# KiCad board PCB.kicad_pcb (continued)
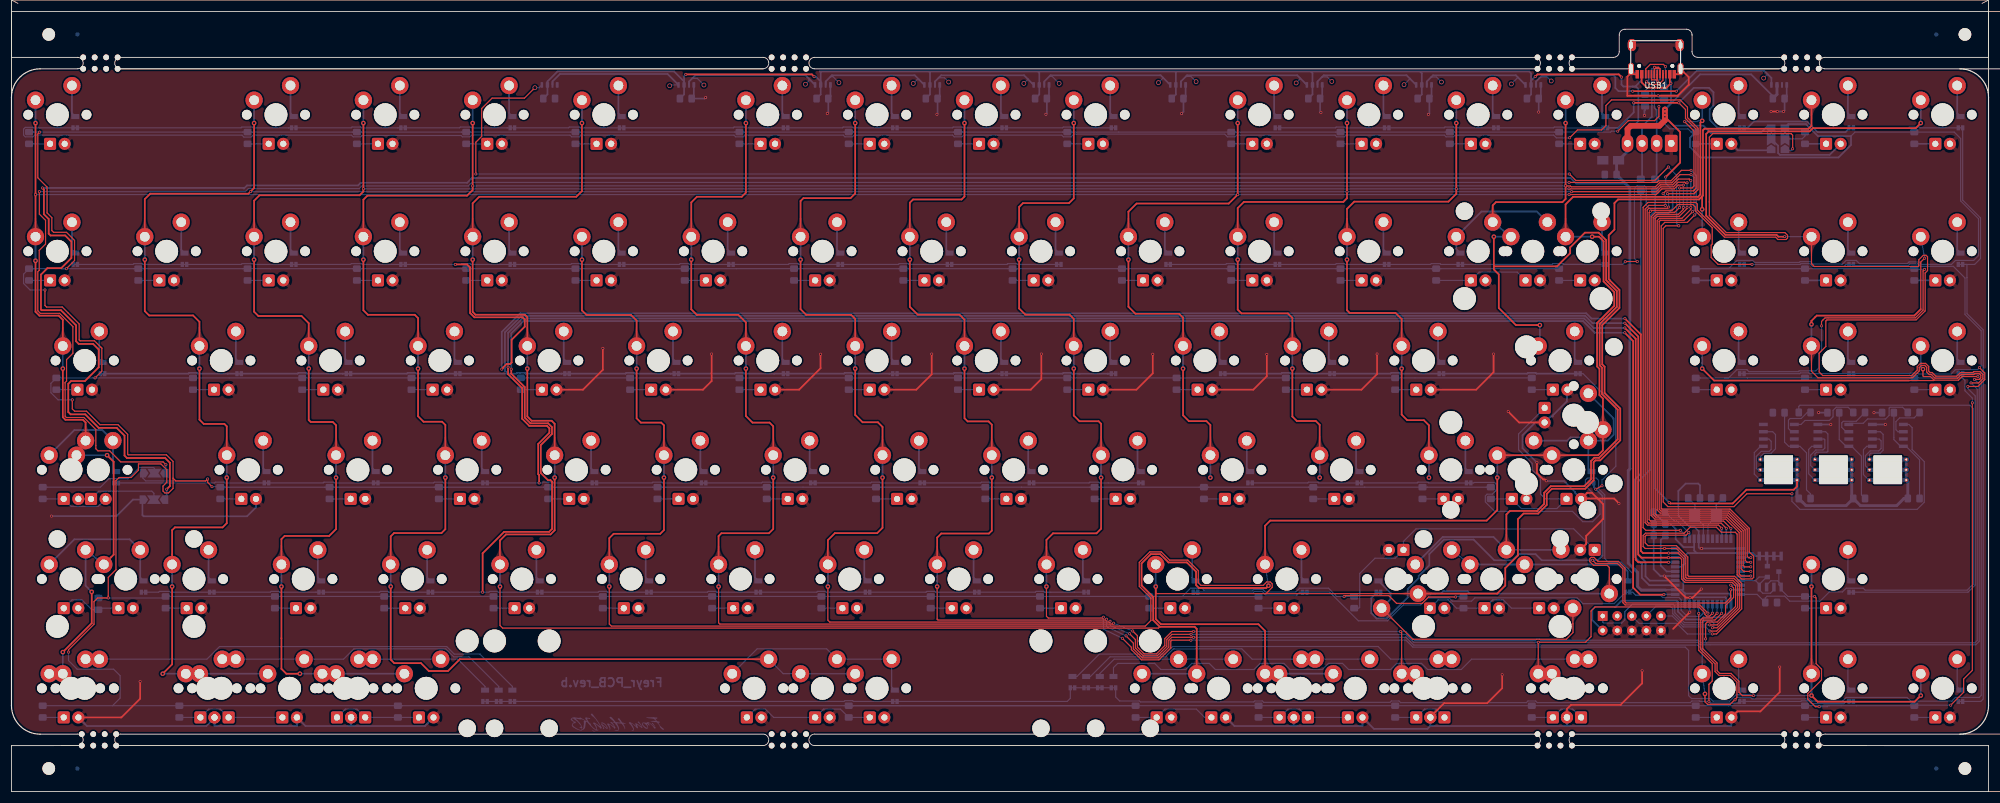
[diagram p0: board, top side]
## Copper pours and planes (outline as drawn; the poured copper is in the pictures) (continued)
Net-(D169-Pad1) on Bottom: 109.21,69.97 109.39,69.96 109.57,69.94 109.74,69.91 109.9,69.87 110.06,69.81 110.21,69.74 110.35,69.66 110.49,69.56 110.63,69.46 110.75,69.33 112.03,70.07 110.75,70.8 110.63,70.68 110.49,70.58 110.35,70.48 110.21,70.4 110.06,70.33 109.9,70.27 109.74,70.23 109.57,70.2 109.39,70.18 109.21,70.17
Net-(D171-Pad1) on Bottom: 104.45,31.87 104.63,31.86 104.8,31.84 104.97,31.81 105.14,31.77 105.29,31.71 105.45,31.64 105.59,31.56 105.73,31.46 105.86,31.36 105.99,31.23 107.27,31.97 105.99,32.7 105.86,32.58 105.73,32.48 105.59,32.38 105.45,32.3 105.29,32.23 105.14,32.17 104.97,32.13 104.8,32.1 104.63,32.08 104.45,32.07
Net-(D172-Pad1) on Bottom: 230.65,12.82 230.84,12.81 231.01,12.79 231.18,12.76 231.34,12.72 231.5,12.66 231.65,12.59 231.8,12.51 231.94,12.41 232.07,12.31 232.2,12.18 233.47,12.92 232.2,13.65 232.07,13.53 231.94,13.43 231.8,13.33 231.65,13.25 231.5,13.18 231.34,13.12 231.18,13.08 231.01,13.05 230.84,13.03 230.65,13.02
Net-(D172-Pad1) on Bottom: 227.94,13.02 227.82,13.03 227.7,13.05 227.58,13.08 227.45,13.12 227.33,13.18 227.21,13.25 227.08,13.33 226.96,13.43 226.84,13.53 226.71,13.65 225.44,12.92 226.71,12.18 226.84,12.31 226.96,12.41 227.08,12.51 227.21,12.59 227.33,12.66 227.45,12.72 227.58,12.76 227.7,12.79 227.82,12.81 227.94,12.82
Net-(D172-Pad1) on Bottom: 224.44,14.3 224.53,14.2 224.61,14.09 224.69,13.97 224.75,13.85 224.8,13.72 224.84,13.58 224.87,13.43 224.9,13.27 224.91,13.1 224.91,12.93 226.33,12.55 225.95,13.97 225.78,13.97 225.61,13.99 225.46,14.01 225.31,14.04 225.17,14.08 225.03,14.13 224.91,14.2 224.79,14.27 224.68,14.35 224.58,14.44
Net-(D172-Pad1) on Bottom: 222,14.02 221.98,14.01 221.94,14 221.89,13.99 221.82,13.98 221.73,13.98 221.63,13.97 221.51,13.97 221.37,13.97 221.22,13.97 221.05,13.97 220.67,12.55 222.09,12.93 222.09,13.1 222.09,13.25 222.09,13.39 222.1,13.51 222.1,13.61 222.11,13.7 222.11,13.77 222.12,13.82 222.13,13.86 222.14,13.88
Net-(D172-Pad1) on Bottom: 218.75,12.82 218.93,12.81 219.1,12.79 219.27,12.76 219.44,12.72 219.59,12.66 219.75,12.59 219.89,12.51 220.03,12.41 220.16,12.31 220.29,12.18 221.57,12.92 220.29,13.65 220.16,13.53 220.03,13.43 219.89,13.33 219.75,13.25 219.59,13.18 219.44,13.12 219.27,13.08 219.1,13.05 218.93,13.03 218.75,13.02
Net-(D176-Pad1) on Bottom: 314.12,112.78 314.29,112.78 314.45,112.76 314.6,112.73 314.75,112.69 314.9,112.64 315.04,112.57 315.17,112.5 315.3,112.41 315.42,112.31 315.54,112.2 316.82,112.93 315.54,113.67 315.42,113.56 315.3,113.46 315.17,113.37 315.04,113.29 314.9,113.23 314.75,113.18 314.6,113.13 314.45,113.11 314.29,113.09 314.12,113.08
Net-(D176-Pad2) on Bottom: 317.89,111.78 317.92,111.8 317.96,111.82 318.02,111.83 318.09,111.85 318.18,111.86 318.28,111.87 318.39,111.88 318.52,111.88 318.66,111.88 318.82,111.88 319.2,113.3 317.78,112.92 317.78,112.77 317.78,112.62 317.78,112.49 317.77,112.38 317.76,112.28 317.75,112.19 317.73,112.12 317.72,112.06 317.7,112.02 317.68,111.99
Net-(D177-Pad1) on Bottom: 295.07,88.97 295.24,88.96 295.4,88.95 295.55,88.92 295.7,88.88 295.85,88.82 295.99,88.76 296.12,88.68 296.25,88.6 296.37,88.5 296.49,88.38 297.77,89.12 296.49,89.85 296.37,89.74 296.25,89.64 296.12,89.56 295.99,89.48 295.85,89.42 295.7,89.36 295.55,89.32 295.4,89.29 295.24,89.28 295.07,89.27
Net-(D178-Pad1) on Bottom: 242.53,43.62 242.53,43.59 242.51,43.55 242.47,43.5 242.43,43.44 242.37,43.38 242.3,43.3 242.22,43.21 242.13,43.11 242.02,43 241.9,42.88 242.63,41.6 243.37,42.88 243.25,43 243.14,43.11 243.04,43.21 242.96,43.3 242.89,43.38 242.83,43.44 242.79,43.5 242.76,43.55 242.74,43.59 242.73,43.62
Net-(D178-Pad1) on Bottom: 274.28,43.68 274.4,43.55 274.51,43.41 274.61,43.27 274.69,43.12 274.76,42.97 274.82,42.81 274.87,42.65 274.9,42.49 274.91,42.32 274.92,42.14 276.34,41.76 275.96,43.18 275.78,43.18 275.61,43.2 275.45,43.23 275.29,43.28 275.13,43.34 274.98,43.41 274.83,43.49 274.69,43.59 274.55,43.7 274.42,43.82
Net-(D178-Pad1) on Bottom: 241.67,41.03 241.69,41.04 241.73,41.05 241.78,41.06 241.85,41.07 241.94,41.07 242.04,41.08 242.16,41.08 242.3,41.08 242.45,41.08 242.62,41.08 243,42.5 241.58,42.12 241.58,41.95 241.58,41.8 241.58,41.66 241.58,41.54 241.57,41.44 241.57,41.35 241.56,41.28 241.55,41.23 241.54,41.19 241.53,41.17
Net-(D179-Pad1) on Bottom: 199.7,31.87 199.88,31.86 200.05,31.84 200.22,31.81 200.39,31.77 200.54,31.71 200.7,31.64 200.84,31.56 200.98,31.46 201.11,31.36 201.24,31.23 202.52,31.97 201.24,32.7 201.11,32.58 200.98,32.48 200.84,32.38 200.7,32.3 200.54,32.23 200.39,32.17 200.22,32.13 200.05,32.1 199.88,32.08 199.7,32.07
Net-(D180-Pad1) on Bottom: 128.26,112.83 128.44,112.83 128.62,112.81 128.79,112.78 128.95,112.73 129.11,112.67 129.26,112.6 129.4,112.52 129.54,112.43 129.68,112.32 129.8,112.2 131.08,112.93 129.8,113.67 129.68,113.55 129.54,113.44 129.4,113.34 129.26,113.26 129.11,113.19 128.95,113.13 128.79,113.09 128.62,113.06 128.44,113.04 128.26,113.03
Net-(D181-Pad1) on Bottom: 118.74,89.02 118.92,89.01 119.09,88.99 119.26,88.96 119.42,88.92 119.58,88.86 119.73,88.79 119.88,88.71 120.02,88.61 120.15,88.51 120.28,88.38 121.55,89.12 120.28,89.85 120.15,89.73 120.02,89.63 119.88,89.53 119.73,89.45 119.58,89.38 119.42,89.32 119.26,89.28 119.09,89.25 118.92,89.23 118.74,89.22
Net-(D182-Pad1) on Bottom: 128.26,69.97 128.44,69.96 128.62,69.94 128.79,69.91 128.95,69.87 129.11,69.81 129.26,69.74 129.4,69.66 129.54,69.56 129.68,69.46 129.8,69.33 131.08,70.07 129.8,70.8 129.68,70.68 129.54,70.58 129.4,70.48 129.26,70.4 129.11,70.33 128.95,70.27 128.79,70.23 128.62,70.2 128.44,70.18 128.26,70.17
Net-(D183-Pad1) on Bottom: 133.02,50.92 133.2,50.91 133.38,50.89 133.55,50.86 133.71,50.82 133.87,50.76 134.02,50.69 134.17,50.61 134.31,50.51 134.44,50.41 134.57,50.28 135.84,51.02 134.57,51.75 134.44,51.63 134.31,51.53 134.17,51.43 134.02,51.35 133.87,51.28 133.71,51.22 133.55,51.18 133.38,51.15 133.2,51.13 133.02,51.12
Net-(D184-Pad1) on Bottom: 123.5,31.87 123.68,31.86 123.85,31.84 124.02,31.81 124.19,31.77 124.34,31.71 124.5,31.64 124.64,31.56 124.78,31.46 124.91,31.36 125.04,31.23 126.32,31.97 125.04,32.7 124.91,32.58 124.78,32.48 124.64,32.38 124.5,32.3 124.34,32.23 124.19,32.17 124.02,32.13 123.85,32.1 123.68,32.08 123.5,32.07
Net-(D185-Pad1) on Bottom: 248.25,14.3 248.35,14.2 248.43,14.09 248.5,13.97 248.56,13.85 248.61,13.72 248.65,13.58 248.69,13.43 248.71,13.27 248.72,13.1 248.73,12.93 250.15,12.55 249.76,13.97 249.59,13.97 249.43,13.99 249.27,14.01 249.12,14.04 248.98,14.08 248.85,14.13 248.72,14.2 248.6,14.27 248.5,14.35 248.4,14.44
Net-(D185-Pad1) on Bottom: 245.81,14.02 245.79,14.01 245.76,14 245.7,13.99 245.63,13.98 245.55,13.98 245.44,13.97 245.32,13.97 245.19,13.97 245.03,13.97 244.86,13.97 244.48,12.55 245.9,12.93 245.9,13.1 245.9,13.25 245.9,13.39 245.91,13.51 245.91,13.61 245.92,13.7 245.92,13.77 245.93,13.82 245.94,13.86 245.95,13.88
Net-(D185-Pad1) on Bottom: 242.56,12.82 242.74,12.81 242.92,12.79 243.09,12.76 243.25,12.72 243.41,12.66 243.56,12.59 243.7,12.51 243.84,12.41 243.98,12.31 244.1,12.18 245.38,12.92 244.1,13.65 243.98,13.53 243.84,13.43 243.7,13.33 243.56,13.25 243.41,13.18 243.25,13.12 243.09,13.08 242.92,13.05 242.74,13.03 242.56,13.02
Net-(D187-Pad1) on Bottom: 333.17,112.78 333.34,112.78 333.5,112.76 333.65,112.73 333.8,112.69 333.95,112.64 334.09,112.57 334.22,112.5 334.35,112.41 334.47,112.31 334.59,112.2 335.87,112.93 334.59,113.67 334.47,113.56 334.35,113.46 334.22,113.37 334.09,113.29 333.95,113.23 333.8,113.18 333.65,113.13 333.5,113.11 333.34,113.09 333.17,113.08
Net-(D188-Pad1) on Bottom: 314.12,88.97 314.29,88.96 314.45,88.95 314.6,88.92 314.75,88.88 314.9,88.82 315.04,88.76 315.17,88.68 315.3,88.6 315.42,88.5 315.54,88.38 316.82,89.12 315.54,89.85 315.42,89.74 315.3,89.64 315.17,89.56 315.04,89.48 314.9,89.42 314.75,89.36 314.6,89.32 314.45,89.29 314.29,89.28 314.12,89.27
Net-(D189-Pad1) on Bottom: 147.31,112.83 147.49,112.83 147.67,112.81 147.84,112.78 148,112.73 148.16,112.67 148.31,112.6 148.45,112.52 148.59,112.43 148.73,112.32 148.85,112.2 150.13,112.93 148.85,113.67 148.73,113.55 148.59,113.44 148.45,113.34 148.31,113.26 148.16,113.19 148,113.13 147.84,113.09 147.67,113.06 147.49,113.04 147.31,113.03
Net-(D190-Pad1) on Bottom: 137.79,89.02 137.97,89.01 138.14,88.99 138.31,88.96 138.47,88.92 138.63,88.86 138.78,88.79 138.93,88.71 139.07,88.61 139.2,88.51 139.33,88.38 140.6,89.12 139.33,89.85 139.2,89.73 139.07,89.63 138.93,89.53 138.78,89.45 138.63,89.38 138.47,89.32 138.31,89.28 138.14,89.25 137.97,89.23 137.79,89.22
Net-(D191-Pad1) on Bottom: 147.31,69.97 147.49,69.96 147.67,69.94 147.84,69.91 148,69.87 148.16,69.81 148.31,69.74 148.45,69.66 148.59,69.56 148.73,69.46 148.85,69.33 150.13,70.07 148.85,70.8 148.73,70.68 148.59,70.58 148.45,70.48 148.31,70.4 148.16,70.33 148,70.27 147.84,70.23 147.67,70.2 147.49,70.18 147.31,70.17
Net-(D193-Pad1) on Bottom: 142.55,31.87 142.73,31.86 142.9,31.84 143.07,31.81 143.24,31.77 143.39,31.71 143.55,31.64 143.69,31.56 143.83,31.46 143.96,31.36 144.09,31.23 145.37,31.97 144.09,32.7 143.96,32.58 143.83,32.48 143.69,32.38 143.55,32.3 143.39,32.23 143.24,32.17 143.07,32.13 142.9,32.1 142.73,32.08 142.55,32.07
Net-(D194-Pad1) on Bottom: 272.07,14.3 272.16,14.2 272.24,14.09 272.31,13.97 272.37,13.85 272.42,13.72 272.47,13.58 272.5,13.43 272.52,13.27 272.53,13.1 272.54,12.93 273.96,12.55 273.58,13.97 273.4,13.97 273.24,13.99 273.08,14.01 272.93,14.04 272.79,14.08 272.66,14.13 272.53,14.2 272.42,14.27 272.31,14.35 272.21,14.44
Net-(D194-Pad1) on Bottom: 269.62,14.02 269.6,14.01 269.57,14 269.51,13.99 269.44,13.98 269.36,13.98 269.26,13.97 269.14,13.97 269,13.97 268.85,13.97 268.68,13.97 268.3,12.55 269.72,12.93 269.72,13.1 269.72,13.25 269.72,13.39 269.72,13.51 269.72,13.61 269.73,13.7 269.74,13.77 269.75,13.82 269.75,13.86 269.77,13.88
Net-(D196-Pad1) on Bottom: 333.17,88.97 333.34,88.96 333.5,88.95 333.65,88.92 333.8,88.88 333.95,88.82 334.09,88.76 334.22,88.68 334.35,88.6 334.47,88.5 334.59,88.38 335.87,89.12 334.59,89.85 334.47,89.74 334.35,89.64 334.22,89.56 334.09,89.48 333.95,89.42 333.8,89.36 333.65,89.32 333.5,89.29 333.34,89.28 333.17,89.27
Net-(D197-Pad1) on Bottom: 314,69.97 314.18,69.96 314.35,69.94 314.52,69.91 314.69,69.87 314.84,69.81 315,69.74 315.14,69.66 315.28,69.56 315.41,69.46 315.54,69.33 316.82,70.07 315.54,70.8 315.41,70.68 315.28,70.58 315.14,70.48 315,70.4 314.84,70.33 314.69,70.27 314.52,70.23 314.35,70.2 314.18,70.18 314,70.17
Net-(D198-Pad1) on Bottom: 166.36,112.83 166.54,112.83 166.72,112.81 166.89,112.78 167.05,112.73 167.21,112.67 167.36,112.6 167.5,112.52 167.64,112.43 167.78,112.32 167.9,112.2 169.18,112.93 167.9,113.67 167.78,113.55 167.64,113.44 167.5,113.34 167.36,113.26 167.21,113.19 167.05,113.13 166.89,113.09 166.72,113.06 166.54,113.04 166.36,113.03
Net-(D199-Pad1) on Bottom: 156.84,89.02 157.02,89.01 157.19,88.99 157.36,88.96 157.52,88.92 157.68,88.86 157.83,88.79 157.98,88.71 158.12,88.61 158.25,88.51 158.38,88.38 159.65,89.12 158.38,89.85 158.25,89.73 158.12,89.63 157.98,89.53 157.83,89.45 157.68,89.38 157.52,89.32 157.36,89.28 157.19,89.25 157.02,89.23 156.84,89.22
Net-(D200-Pad1) on Bottom: 166.36,69.97 166.54,69.96 166.72,69.94 166.89,69.91 167.05,69.87 167.21,69.81 167.36,69.74 167.5,69.66 167.64,69.56 167.78,69.46 167.9,69.33 169.18,70.07 167.9,70.8 167.78,70.68 167.64,70.58 167.5,70.48 167.36,70.4 167.21,70.33 167.05,70.27 166.89,70.23 166.72,70.2 166.54,70.18 166.36,70.17
Net-(D201-Pad1) on Bottom: 171.12,50.92 171.3,50.91 171.48,50.89 171.65,50.86 171.81,50.82 171.97,50.76 172.12,50.69 172.27,50.61 172.41,50.51 172.54,50.41 172.67,50.28 173.94,51.02 172.67,51.75 172.54,51.63 172.41,51.53 172.27,51.43 172.12,51.35 171.97,51.28 171.81,51.22 171.65,51.18 171.48,51.15 171.3,51.13 171.12,51.12
Net-(D202-Pad1) on Bottom: 161.6,31.87 161.78,31.86 161.95,31.84 162.12,31.81 162.29,31.77 162.44,31.71 162.6,31.64 162.74,31.56 162.88,31.46 163.01,31.36 163.14,31.23 164.42,31.97 163.14,32.7 163.01,32.58 162.88,32.48 162.74,32.38 162.6,32.3 162.44,32.23 162.29,32.17 162.12,32.13 161.95,32.1 161.78,32.08 161.6,32.07
Net-(D203-Pad1) on Bottom: 294.95,12.82 295.13,12.81 295.3,12.79 295.47,12.76 295.64,12.72 295.79,12.66 295.95,12.59 296.09,12.51 296.23,12.41 296.36,12.31 296.49,12.18 297.77,12.92 296.49,13.65 296.36,13.53 296.23,13.43 296.09,13.33 295.95,13.25 295.79,13.18 295.64,13.12 295.47,13.08 295.3,13.05 295.13,13.03 294.95,13.02
Net-(D204-Pad1) on Bottom: 333.05,69.97 333.23,69.96 333.4,69.94 333.57,69.91 333.74,69.87 333.89,69.81 334.05,69.74 334.19,69.66 334.33,69.56 334.46,69.46 334.59,69.33 335.87,70.07 334.59,70.8 334.46,70.68 334.33,70.58 334.19,70.48 334.05,70.4 333.89,70.33 333.74,70.27 333.57,70.23 333.4,70.2 333.23,70.18 333.05,70.17
Net-(D205-Pad1) on Bottom: 294.95,69.97 295.13,69.96 295.3,69.94 295.47,69.91 295.64,69.87 295.79,69.81 295.95,69.74 296.09,69.66 296.23,69.56 296.36,69.46 296.49,69.33 297.77,70.07 296.49,70.8 296.36,70.68 296.23,70.58 296.09,70.48 295.95,70.4 295.79,70.33 295.64,70.27 295.47,70.23 295.3,70.2 295.13,70.18 294.95,70.17
Net-(D206-Pad1) on Bottom: 185.41,112.83 185.59,112.83 185.77,112.81 185.94,112.78 186.1,112.73 186.26,112.67 186.41,112.6 186.55,112.52 186.69,112.43 186.83,112.32 186.95,112.2 188.23,112.93 186.95,113.67 186.83,113.55 186.69,113.44 186.55,113.34 186.41,113.26 186.26,113.19 186.1,113.13 185.94,113.09 185.77,113.06 185.59,113.04 185.41,113.03
Net-(D207-Pad1) on Bottom: 175.89,89.02 176.07,89.01 176.24,88.99 176.41,88.96 176.57,88.92 176.73,88.86 176.88,88.79 177.03,88.71 177.17,88.61 177.3,88.51 177.43,88.38 178.7,89.12 177.43,89.85 177.3,89.73 177.17,89.63 177.03,89.53 176.88,89.45 176.73,89.38 176.57,89.32 176.41,89.28 176.24,89.25 176.07,89.23 175.89,89.22
Net-(D208-Pad1) on Bottom: 185.41,69.97 185.59,69.96 185.77,69.94 185.94,69.91 186.1,69.87 186.26,69.81 186.41,69.74 186.55,69.66 186.69,69.56 186.83,69.46 186.95,69.33 188.23,70.07 186.95,70.8 186.83,70.68 186.69,70.58 186.55,70.48 186.41,70.4 186.26,70.33 186.1,70.27 185.94,70.23 185.77,70.2 185.59,70.18 185.41,70.17
Net-(D209-Pad1) on Bottom: 190.17,50.92 190.35,50.91 190.53,50.89 190.7,50.86 190.86,50.82 191.02,50.76 191.17,50.69 191.32,50.61 191.46,50.51 191.59,50.41 191.72,50.28 192.99,51.02 191.72,51.75 191.59,51.63 191.46,51.53 191.32,51.43 191.17,51.35 191.02,51.28 190.86,51.22 190.7,51.18 190.53,51.15 190.35,51.13 190.17,51.12
Net-(D210-Pad1) on Bottom: 180.65,31.87 180.83,31.86 181,31.84 181.17,31.81 181.34,31.77 181.49,31.71 181.65,31.64 181.79,31.56 181.93,31.46 182.06,31.36 182.19,31.23 183.47,31.97 182.19,32.7 182.06,32.58 181.93,32.48 181.79,32.38 181.65,32.3 181.49,32.23 181.34,32.17 181.17,32.13 181,32.1 180.83,32.08 180.65,32.07
Net-(D211-Pad1) on Bottom: 314,12.82 314.18,12.81 314.35,12.79 314.52,12.76 314.69,12.72 314.84,12.66 315,12.59 315.14,12.51 315.28,12.41 315.41,12.31 315.54,12.18 316.82,12.92 315.54,13.65 315.41,13.53 315.28,13.43 315.14,13.33 315,13.25 314.84,13.18 314.69,13.12 314.52,13.08 314.35,13.05 314.18,13.03 314,13.02
Net-(D212-Pad1) on Bottom: 333.05,12.82 333.23,12.81 333.4,12.79 333.57,12.76 333.74,12.72 333.89,12.66 334.05,12.59 334.19,12.51 334.33,12.41 334.46,12.31 334.59,12.18 335.87,12.92 334.59,13.65 334.46,13.53 334.33,13.43 334.19,13.33 334.05,13.25 333.89,13.18 333.74,13.12 333.57,13.08 333.4,13.05 333.23,13.03 333.05,13.02
Net-(D213-Pad1) on Bottom: 314,31.87 314.18,31.86 314.35,31.84 314.52,31.81 314.69,31.77 314.84,31.71 315,31.64 315.14,31.56 315.28,31.46 315.41,31.36 315.54,31.23 316.82,31.97 315.54,32.7 315.41,32.58 315.28,32.48 315.14,32.38 315,32.3 314.84,32.23 314.69,32.17 314.52,32.13 314.35,32.1 314.18,32.08 314,32.07

Small or netless copper shapes (teardrops, artwork), in the pictures only: 255 on Top, 292 on Bottom

## Text on the board
Bottom: Freyr_PCB_rev.b
B.Mask: Freyr
B.SilkS: VCC | D- | D+ | GND | Shift ISO | Step | WIN | layout1 | layout3 | layout2 | 1.5u | 1.25u | 1u
